# KiCad board poly_kb_molecule_8x5.kicad_pcb (continued)
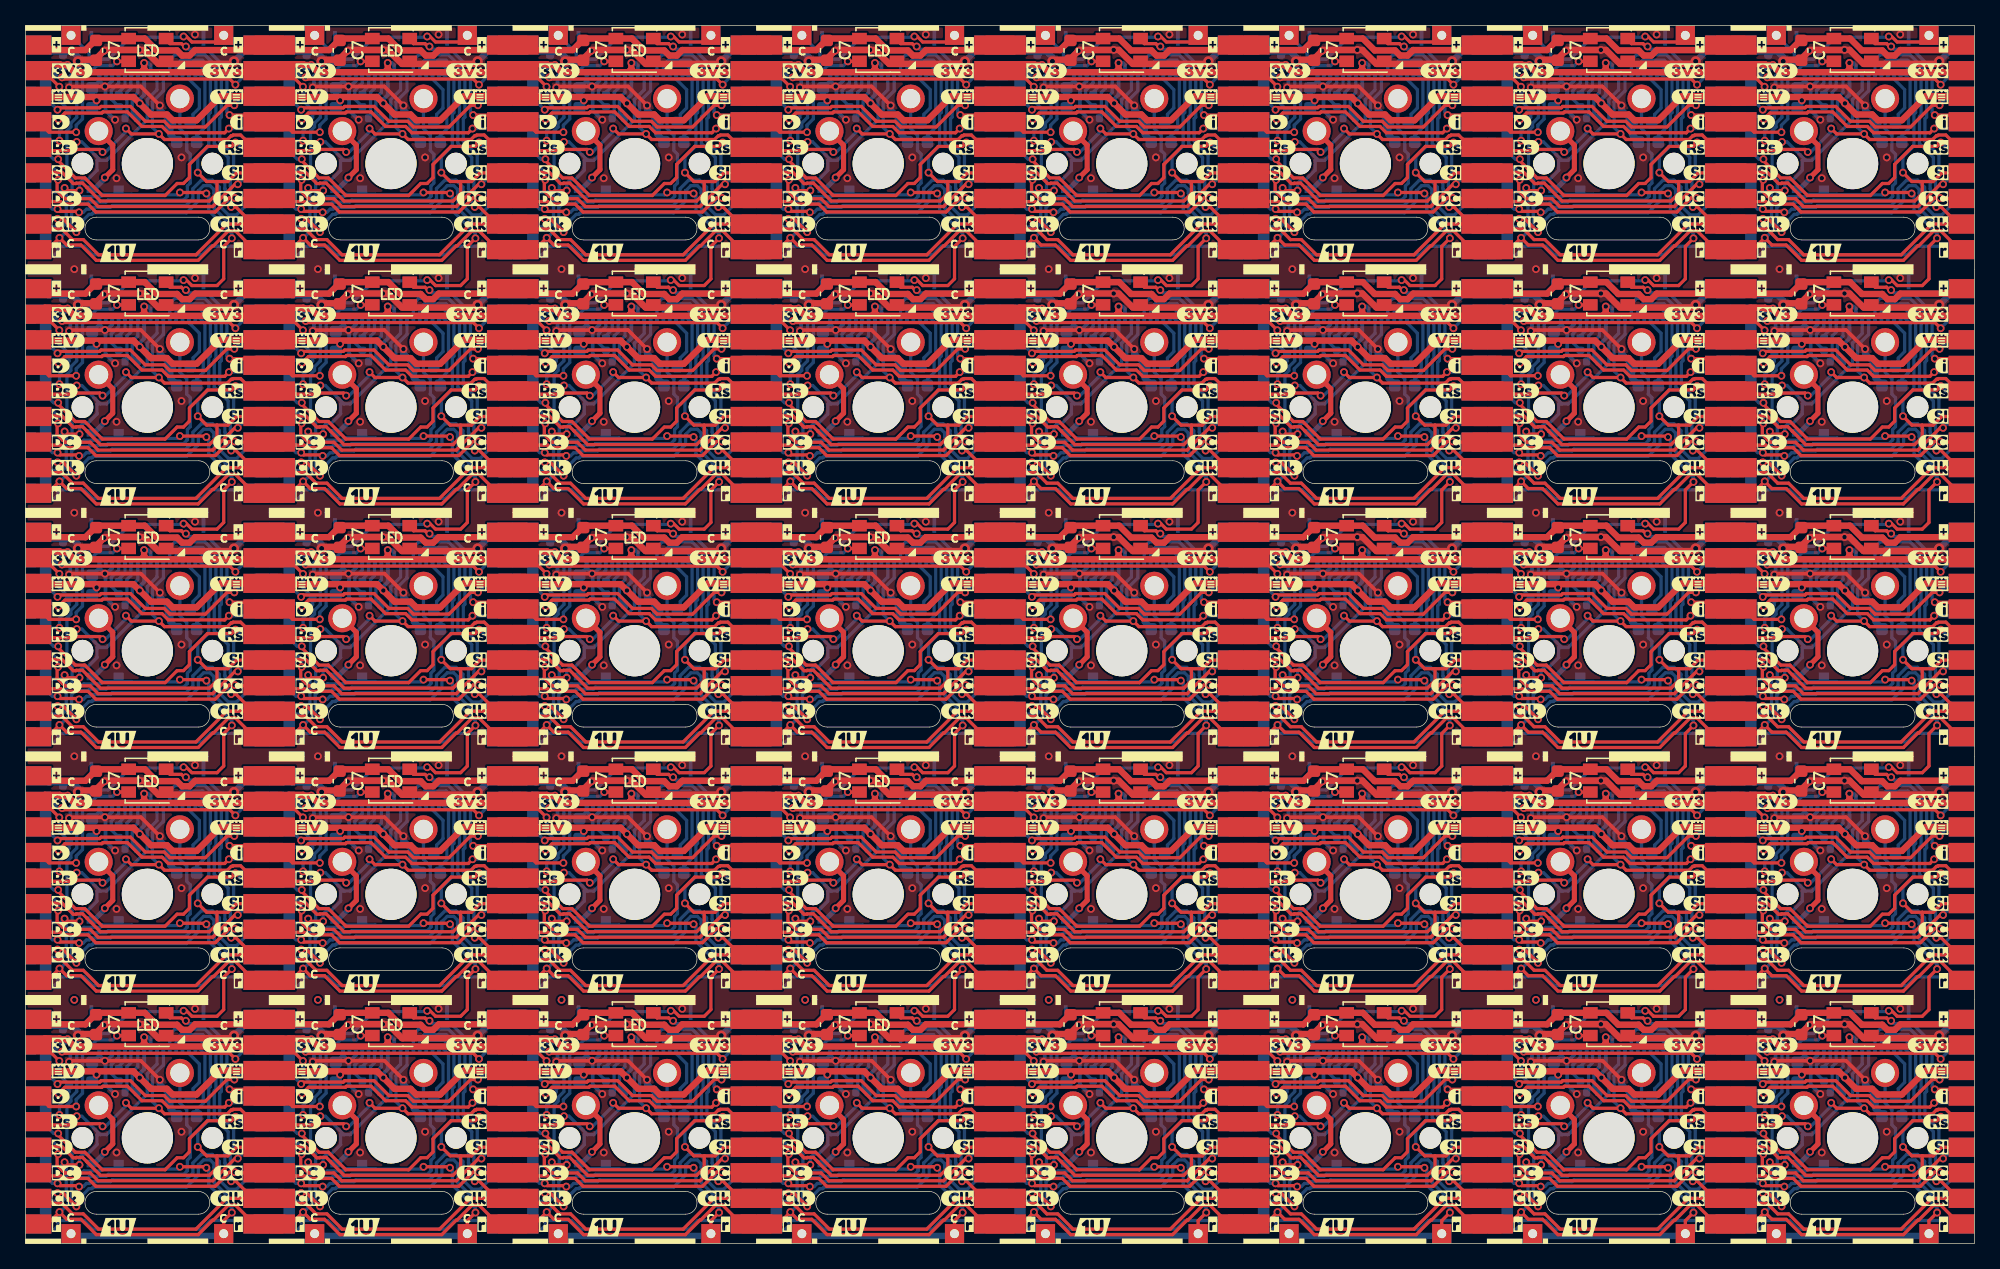
[diagram p0: board, top side]
## Placement (name value [footprint] x y rotation side) (continued)
kibuzzard-61EFDAA0#26  G***  [kibuzzard-61EFDAA0]  40.87 11.51 0 top
kibuzzard-61EFDAA0#27  G***  [kibuzzard-61EFDAA0]  59.92 30.56 0 top
kibuzzard-61EFDAA0#28  G***  [kibuzzard-61EFDAA0]  78.97 68.66 0 top
kibuzzard-61EFDAA0#29  G***  [kibuzzard-61EFDAA0]  136.12 49.61 0 top
kibuzzard-61EFDAA0#30  G***  [kibuzzard-61EFDAA0]  59.92 68.66 0 top
kibuzzard-61EFDAA0#31  G***  [kibuzzard-61EFDAA0]  2.77 30.56 0 top
kibuzzard-61EFDAA0#32  G***  [kibuzzard-61EFDAA0]  117.07 49.61 0 top
kibuzzard-61EFDAA0#33  G***  [kibuzzard-61EFDAA0]  59.92 87.71 0 top
kibuzzard-61EFDAA0#34  G***  [kibuzzard-61EFDAA0]  21.82 49.61 0 top
kibuzzard-61EFDAA0#35  G***  [kibuzzard-61EFDAA0]  78.97 30.56 0 top
kibuzzard-61EFDAA0#36  G***  [kibuzzard-61EFDAA0]  2.77 68.66 0 top
kibuzzard-61EFDAA0#37  G***  [kibuzzard-61EFDAA0]  2.77 49.61 0 top
kibuzzard-61EFDAA0#38  G***  [kibuzzard-61EFDAA0]  98.02 68.66 0 top
kibuzzard-61EFDAA0#39  G***  [kibuzzard-61EFDAA0]  21.82 87.71 0 top
kibuzzard-61EFDAA0#40  G***  [kibuzzard-61EFDAA0]  117.07 87.71 0 top
kibuzzard-61EFDAC6  G***  [kibuzzard-61EFDAC6]  35.64 49.61 0 top
kibuzzard-61EFDAC6#2  G***  [kibuzzard-61EFDAC6]  111.84 11.51 0 top
kibuzzard-61EFDAC6#3  G***  [kibuzzard-61EFDAC6]  73.74 11.51 0 top
kibuzzard-61EFDAC6#4  G***  [kibuzzard-61EFDAC6]  149.94 30.56 0 top
kibuzzard-61EFDAC6#5  G***  [kibuzzard-61EFDAC6]  111.84 68.66 0 top
kibuzzard-61EFDAC6#6  G***  [kibuzzard-61EFDAC6]  16.59 87.71 0 top
kibuzzard-61EFDAC6#7  G***  [kibuzzard-61EFDAC6]  149.94 87.71 0 top
kibuzzard-61EFDAC6#8  G***  [kibuzzard-61EFDAC6]  92.79 87.71 0 top
kibuzzard-61EFDAC6#9  G***  [kibuzzard-61EFDAC6]  149.94 11.51 0 top
kibuzzard-61EFDAC6#10  G***  [kibuzzard-61EFDAC6]  73.74 68.66 0 top
kibuzzard-61EFDAC6#11  G***  [kibuzzard-61EFDAC6]  130.89 87.71 0 top
kibuzzard-61EFDAC6#12  G***  [kibuzzard-61EFDAC6]  16.59 49.61 0 top
kibuzzard-61EFDAC6#13  G***  [kibuzzard-61EFDAC6]  35.64 87.71 0 top
kibuzzard-61EFDAC6#14  G***  [kibuzzard-61EFDAC6]  92.79 30.56 0 top
kibuzzard-61EFDAC6#15  G***  [kibuzzard-61EFDAC6]  92.79 68.66 0 top
kibuzzard-61EFDAC6#16  G***  [kibuzzard-61EFDAC6]  130.89 49.61 0 top
kibuzzard-61EFDAC6#17  G***  [kibuzzard-61EFDAC6]  54.69 11.51 0 top
kibuzzard-61EFDAC6#18  G***  [kibuzzard-61EFDAC6]  54.69 49.61 0 top
kibuzzard-61EFDAC6#19  G***  [kibuzzard-61EFDAC6]  16.59 68.66 0 top
kibuzzard-61EFDAC6#20  G***  [kibuzzard-61EFDAC6]  16.59 30.56 0 top
kibuzzard-61EFDAC6#21  G***  [kibuzzard-61EFDAC6]  149.94 68.66 0 top
kibuzzard-61EFDAC6#22  G***  [kibuzzard-61EFDAC6]  92.79 11.51 0 top
kibuzzard-61EFDAC6#23  G***  [kibuzzard-61EFDAC6]  54.69 68.66 0 top
kibuzzard-61EFDAC6#24  G***  [kibuzzard-61EFDAC6]  111.84 49.61 0 top
kibuzzard-61EFDAC6#25  G***  [kibuzzard-61EFDAC6]  111.84 87.71 0 top
kibuzzard-61EFDAC6#26  G***  [kibuzzard-61EFDAC6]  130.89 68.66 0 top
kibuzzard-61EFDAC6#27  G***  [kibuzzard-61EFDAC6]  130.89 11.51 0 top
kibuzzard-61EFDAC6#28  G***  [kibuzzard-61EFDAC6]  73.74 87.71 0 top
kibuzzard-61EFDAC6#29  G***  [kibuzzard-61EFDAC6]  130.89 30.56 0 top
kibuzzard-61EFDAC6#30  G***  [kibuzzard-61EFDAC6]  35.64 30.56 0 top
kibuzzard-61EFDAC6#31  G***  [kibuzzard-61EFDAC6]  35.64 11.51 0 top
kibuzzard-61EFDAC6#32  G***  [kibuzzard-61EFDAC6]  73.74 49.61 0 top
kibuzzard-61EFDAC6#33  G***  [kibuzzard-61EFDAC6]  111.84 30.56 0 top
kibuzzard-61EFDAC6#34  G***  [kibuzzard-61EFDAC6]  35.64 68.66 0 top
kibuzzard-61EFDAC6#35  G***  [kibuzzard-61EFDAC6]  149.94 49.61 0 top
kibuzzard-61EFDAC6#36  G***  [kibuzzard-61EFDAC6]  73.74 30.56 0 top
kibuzzard-61EFDAC6#37  G***  [kibuzzard-61EFDAC6]  54.69 30.56 0 top
kibuzzard-61EFDAC6#38  G***  [kibuzzard-61EFDAC6]  92.79 49.61 0 top
kibuzzard-61EFDAC6#39  G***  [kibuzzard-61EFDAC6]  54.69 87.71 0 top
kibuzzard-61EFDAC6#40  G***  [kibuzzard-61EFDAC6]  16.59 11.51 0 top
kibuzzard-61EFDAEE  G***  [kibuzzard-61EFDAEE]  79.25 85.73 0 top
kibuzzard-61EFDAEE#2  G***  [kibuzzard-61EFDAEE]  3.05 9.53 0 top
kibuzzard-61EFDAEE#3  G***  [kibuzzard-61EFDAEE]  60.2 9.53 0 top
kibuzzard-61EFDAEE#4  G***  [kibuzzard-61EFDAEE]  117.35 66.68 0 top
kibuzzard-61EFDAEE#5  G***  [kibuzzard-61EFDAEE]  22.1 66.68 0 top
kibuzzard-61EFDAEE#6  G***  [kibuzzard-61EFDAEE]  41.15 85.73 0 top
kibuzzard-61EFDAEE#7  G***  [kibuzzard-61EFDAEE]  79.25 28.58 0 top
kibuzzard-61EFDAEE#8  G***  [kibuzzard-61EFDAEE]  117.35 28.58 0 top
kibuzzard-61EFDAEE#9  G***  [kibuzzard-61EFDAEE]  117.35 9.53 0 top
kibuzzard-61EFDAEE#10  G***  [kibuzzard-61EFDAEE]  41.15 66.68 0 top
kibuzzard-61EFDAEE#11  G***  [kibuzzard-61EFDAEE]  22.1 28.58 0 top
kibuzzard-61EFDAEE#12  G***  [kibuzzard-61EFDAEE]  22.1 85.73 0 top
kibuzzard-61EFDAEE#13  G***  [kibuzzard-61EFDAEE]  79.25 47.63 0 top
kibuzzard-61EFDAEE#14  G***  [kibuzzard-61EFDAEE]  3.05 66.68 0 top
kibuzzard-61EFDAEE#15  G***  [kibuzzard-61EFDAEE]  117.35 47.63 0 top
kibuzzard-61EFDAEE#16  G***  [kibuzzard-61EFDAEE]  60.2 85.73 0 top
kibuzzard-61EFDAEE#17  G***  [kibuzzard-61EFDAEE]  98.3 9.53 0 top
kibuzzard-61EFDAEE#18  G***  [kibuzzard-61EFDAEE]  117.35 85.73 0 top
kibuzzard-61EFDAEE#19  G***  [kibuzzard-61EFDAEE]  22.1 9.53 0 top
kibuzzard-61EFDAEE#20  G***  [kibuzzard-61EFDAEE]  3.05 28.58 0 top
kibuzzard-61EFDAEE#21  G***  [kibuzzard-61EFDAEE]  60.2 66.68 0 top
kibuzzard-61EFDAEE#22  G***  [kibuzzard-61EFDAEE]  98.3 28.58 0 top
kibuzzard-61EFDAEE#23  G***  [kibuzzard-61EFDAEE]  3.05 47.63 0 top
kibuzzard-61EFDAEE#24  G***  [kibuzzard-61EFDAEE]  98.3 66.68 0 top
kibuzzard-61EFDAEE#25  G***  [kibuzzard-61EFDAEE]  60.2 28.58 0 top
kibuzzard-61EFDAEE#26  G***  [kibuzzard-61EFDAEE]  136.4 66.68 0 top
kibuzzard-61EFDAEE#27  G***  [kibuzzard-61EFDAEE]  3.05 85.73 0 top
kibuzzard-61EFDAEE#28  G***  [kibuzzard-61EFDAEE]  41.15 47.63 0 top
kibuzzard-61EFDAEE#29  G***  [kibuzzard-61EFDAEE]  136.4 47.63 0 top
kibuzzard-61EFDAEE#30  G***  [kibuzzard-61EFDAEE]  98.3 85.73 0 top
kibuzzard-61EFDAEE#31  G***  [kibuzzard-61EFDAEE]  98.3 47.63 0 top
kibuzzard-61EFDAEE#32  G***  [kibuzzard-61EFDAEE]  41.15 28.58 0 top
kibuzzard-61EFDAEE#33  G***  [kibuzzard-61EFDAEE]  136.4 85.73 0 top
kibuzzard-61EFDAEE#34  G***  [kibuzzard-61EFDAEE]  41.15 9.53 0 top
kibuzzard-61EFDAEE#35  G***  [kibuzzard-61EFDAEE]  22.1 47.63 0 top
kibuzzard-61EFDAEE#36  G***  [kibuzzard-61EFDAEE]  60.2 47.63 0 top
kibuzzard-61EFDAEE#37  G***  [kibuzzard-61EFDAEE]  79.25 66.68 0 top
kibuzzard-61EFDAEE#38  G***  [kibuzzard-61EFDAEE]  136.4 28.58 0 top
kibuzzard-61EFDAEE#39  G***  [kibuzzard-61EFDAEE]  79.25 9.53 0 top
kibuzzard-61EFDAEE#40  G***  [kibuzzard-61EFDAEE]  136.4 9.53 0 top
kibuzzard-61EFDD1E  G***  [kibuzzard-61EFDD1E]  102.49 39.37 0 top
kibuzzard-61EFDD1E#2  G***  [kibuzzard-61EFDD1E]  121.54 39.37 0 top
kibuzzard-61EFDD1E#3  G***  [kibuzzard-61EFDD1E]  64.39 1.27 0 top
kibuzzard-61EFDD1E#4  G***  [kibuzzard-61EFDD1E]  64.39 58.42 0 top
kibuzzard-61EFDD1E#5  G***  [kibuzzard-61EFDD1E]  7.24 39.37 0 top
kibuzzard-61EFDD1E#6  G***  [kibuzzard-61EFDD1E]  102.49 1.27 0 top
kibuzzard-61EFDD1E#7  G***  [kibuzzard-61EFDD1E]  140.59 58.42 0 top
kibuzzard-61EFDD1E#8  G***  [kibuzzard-61EFDD1E]  7.24 77.47 0 top
kibuzzard-61EFDD1E#9  G***  [kibuzzard-61EFDD1E]  26.29 20.32 0 top
kibuzzard-61EFDD1E#10  G***  [kibuzzard-61EFDD1E]  26.29 58.42 0 top
kibuzzard-61EFDD1E#11  G***  [kibuzzard-61EFDD1E]  83.44 20.32 0 top
kibuzzard-61EFDD1E#12  G***  [kibuzzard-61EFDD1E]  83.44 39.37 0 top
kibuzzard-61EFDD1E#13  G***  [kibuzzard-61EFDD1E]  45.34 77.47 0 top
kibuzzard-61EFDD1E#14  G***  [kibuzzard-61EFDD1E]  7.24 20.32 0 top
kibuzzard-61EFDD1E#15  G***  [kibuzzard-61EFDD1E]  140.59 1.27 0 top
kibuzzard-61EFDD1E#16  G***  [kibuzzard-61EFDD1E]  83.44 1.27 0 top
kibuzzard-61EFDD1E#17  G***  [kibuzzard-61EFDD1E]  121.54 58.42 0 top
kibuzzard-61EFDD1E#18  G***  [kibuzzard-61EFDD1E]  102.49 20.32 0 top
kibuzzard-61EFDD1E#19  G***  [kibuzzard-61EFDD1E]  64.39 77.47 0 top
kibuzzard-61EFDD1E#20  G***  [kibuzzard-61EFDD1E]  83.44 77.47 0 top
kibuzzard-61EFDD1E#21  G***  [kibuzzard-61EFDD1E]  26.29 1.27 0 top
kibuzzard-61EFDD1E#22  G***  [kibuzzard-61EFDD1E]  45.34 20.32 0 top
kibuzzard-61EFDD1E#23  G***  [kibuzzard-61EFDD1E]  64.39 39.37 0 top
kibuzzard-61EFDD1E#24  G***  [kibuzzard-61EFDD1E]  7.24 58.42 0 top
kibuzzard-61EFDD1E#25  G***  [kibuzzard-61EFDD1E]  102.49 77.47 0 top
kibuzzard-61EFDD1E#26  G***  [kibuzzard-61EFDD1E]  64.39 20.32 0 top
kibuzzard-61EFDD1E#27  G***  [kibuzzard-61EFDD1E]  45.34 58.42 0 top
kibuzzard-61EFDD1E#28  G***  [kibuzzard-61EFDD1E]  102.49 58.42 0 top
kibuzzard-61EFDD1E#29  G***  [kibuzzard-61EFDD1E]  83.44 58.42 0 top
kibuzzard-61EFDD1E#30  G***  [kibuzzard-61EFDD1E]  121.54 1.27 0 top
kibuzzard-61EFDD1E#31  G***  [kibuzzard-61EFDD1E]  121.54 20.32 0 top
kibuzzard-61EFDD1E#32  G***  [kibuzzard-61EFDD1E]  121.54 77.47 0 top
kibuzzard-61EFDD1E#33  G***  [kibuzzard-61EFDD1E]  45.34 1.27 0 top
kibuzzard-61EFDD1E#34  G***  [kibuzzard-61EFDD1E]  7.24 1.27 0 top
kibuzzard-61EFDD1E#35  G***  [kibuzzard-61EFDD1E]  140.59 77.47 0 top
kibuzzard-61EFDD1E#36  G***  [kibuzzard-61EFDD1E]  140.59 20.32 0 top
kibuzzard-61EFDD1E#37  G***  [kibuzzard-61EFDD1E]  26.29 77.47 0 top
kibuzzard-61EFDD1E#38  G***  [kibuzzard-61EFDD1E]  26.29 39.37 0 top
kibuzzard-61EFDD1E#39  G***  [kibuzzard-61EFDD1E]  45.34 39.37 0 top
kibuzzard-61EFDD1E#40  G***  [kibuzzard-61EFDD1E]  140.59 39.37 0 top
LED1  -  [WS2812B-Mini]  9.52 93.34 0 top
LED1#2  -  [WS2812B-Mini]  123.82 55.24 0 top
LED1#3  -  [WS2812B-Mini]  85.72 17.15 0 top
LED1#4  -  [WS2812B-Mini]  66.67 36.19 0 top
LED1#5  -  [WS2812B-Mini]  123.82 74.3 0 top
LED1#6  -  [WS2812B-Mini]  142.88 93.34 0 top
LED1#7  -  [WS2812B-Mini]  104.78 17.15 0 top
LED1#8  -  [WS2812B-Mini]  66.67 55.24 0 top
LED1#9  -  [WS2812B-Mini]  85.72 55.24 0 top
LED1#10  -  [WS2812B-Mini]  28.58 55.24 0 top
LED1#11  -  [WS2812B-Mini]  104.78 93.34 0 top
LED1#12  -  [WS2812B-Mini]  142.88 17.15 0 top
LED1#13  -  [WS2812B-Mini]  9.52 55.24 0 top
LED1#14  -  [WS2812B-Mini]  104.78 36.19 0 top
LED1#15  -  [WS2812B-Mini]  47.62 36.19 0 top
LED1#16  -  [WS2812B-Mini]  123.82 17.15 0 top
LED1#17  -  [WS2812B-Mini]  142.88 55.24 0 top
LED1#18  -  [WS2812B-Mini]  9.52 36.19 0 top
LED1#19  -  [WS2812B-Mini]  47.62 17.15 0 top
LED1#20  -  [WS2812B-Mini]  9.52 17.15 0 top
LED1#21  -  [WS2812B-Mini]  85.72 36.19 0 top
LED1#22  -  [WS2812B-Mini]  142.88 36.19 0 top
LED1#23  -  [WS2812B-Mini]  142.88 74.3 0 top
LED1#24  -  [WS2812B-Mini]  66.67 93.34 0 top
LED1#25  -  [WS2812B-Mini]  28.58 36.19 0 top
LED1#26  -  [WS2812B-Mini]  47.62 93.34 0 top
LED1#27  -  [WS2812B-Mini]  104.78 74.3 0 top
LED1#28  -  [WS2812B-Mini]  123.82 36.19 0 top
LED1#29  -  [WS2812B-Mini]  85.72 74.3 0 top
LED1#30  -  [WS2812B-Mini]  66.67 17.15 0 top
LED1#31  -  [WS2812B-Mini]  123.82 93.34 0 top
LED1#32  -  [WS2812B-Mini]  104.78 55.24 0 top
LED1#33  -  [WS2812B-Mini]  47.62 74.3 0 top
LED1#34  -  [WS2812B-Mini]  66.67 74.3 0 top
LED1#35  -  [WS2812B-Mini]  9.52 74.3 0 top
LED1#36  -  [WS2812B-Mini]  85.72 93.34 0 top
LED1#37  -  [WS2812B-Mini]  28.58 17.15 0 top
LED1#38  -  [WS2812B-Mini]  47.62 55.24 0 top
LED1#39  -  [WS2812B-Mini]  28.58 74.3 0 top
LED1#40  -  [WS2812B-Mini]  28.58 93.34 0 top
R1  1M  [R_0402_1005Metric]  3.4 12.81 270 bottom
R1#2  1M  [R_0402_1005Metric]  79.6 69.96 270 bottom
R1#3  1M  [R_0402_1005Metric]  98.65 69.96 270 bottom
R1#4  1M  [R_0402_1005Metric]  117.7 12.81 270 bottom
R1#5  1M  [R_0402_1005Metric]  136.75 69.96 270 bottom
R1#6  1M  [R_0402_1005Metric]  79.6 50.91 270 bottom
R1#7  1M  [R_0402_1005Metric]  98.65 31.86 270 bottom
R1#8  1M  [R_0402_1005Metric]  3.4 31.86 270 bottom
R1#9  1M  [R_0402_1005Metric]  41.5 50.91 270 bottom
R1#10  1M  [R_0402_1005Metric]  22.45 12.81 270 bottom
R1#11  1M  [R_0402_1005Metric]  22.45 69.96 270 bottom
R1#12  1M  [R_0402_1005Metric]  22.45 50.91 270 bottom
R1#13  1M  [R_0402_1005Metric]  3.4 50.91 270 bottom
R1#14  1M  [R_0402_1005Metric]  98.65 12.81 270 bottom
R1#15  1M  [R_0402_1005Metric]  79.6 31.86 270 bottom
R1#16  1M  [R_0402_1005Metric]  41.5 89.01 270 bottom
R1#17  1M  [R_0402_1005Metric]  98.65 50.91 270 bottom
R1#18  1M  [R_0402_1005Metric]  60.55 50.91 270 bottom
R1#19  1M  [R_0402_1005Metric]  60.55 69.96 270 bottom
R1#20  1M  [R_0402_1005Metric]  22.45 89.01 270 bottom
R1#21  1M  [R_0402_1005Metric]  60.55 89.01 270 bottom
R1#22  1M  [R_0402_1005Metric]  3.4 69.96 270 bottom
R1#23  1M  [R_0402_1005Metric]  136.75 50.91 270 bottom
R1#24  1M  [R_0402_1005Metric]  117.7 69.96 270 bottom
R1#25  1M  [R_0402_1005Metric]  136.75 12.81 270 bottom
R1#26  1M  [R_0402_1005Metric]  41.5 12.81 270 bottom
R1#27  1M  [R_0402_1005Metric]  41.5 69.96 270 bottom
R1#28  1M  [R_0402_1005Metric]  3.4 89.01 270 bottom
R1#29  1M  [R_0402_1005Metric]  98.65 89.01 270 bottom
R1#30  1M  [R_0402_1005Metric]  79.6 12.81 270 bottom
R1#31  1M  [R_0402_1005Metric]  22.45 31.86 270 bottom
R1#32  1M  [R_0402_1005Metric]  60.55 12.81 270 bottom
R1#33  1M  [R_0402_1005Metric]  136.75 89.01 270 bottom
R1#34  1M  [R_0402_1005Metric]  117.7 89.01 270 bottom
R1#35  1M  [R_0402_1005Metric]  117.7 50.91 270 bottom
R1#36  1M  [R_0402_1005Metric]  117.7 31.86 270 bottom
R1#37  1M  [R_0402_1005Metric]  60.55 31.86 270 bottom
R1#38  1M  [R_0402_1005Metric]  41.5 31.86 270 bottom
R1#39  1M  [R_0402_1005Metric]  136.75 31.86 270 bottom
R1#40  1M  [R_0402_1005Metric]  79.6 89.01 270 bottom
SW1  SW_Push  [SW_Cherry_MX_1.00u_PCB_NoSilk]  12.06 89.53 0 top
SW1#2  SW_Push  [SW_Cherry_MX_1.00u_PCB_NoSilk]  88.27 51.44 0 top
SW1#3  SW_Push  [SW_Cherry_MX_1.00u_PCB_NoSilk]  107.31 13.34 0 top
SW1#4  SW_Push  [SW_Cherry_MX_1.00u_PCB_NoSilk]  107.31 32.38 0 top
SW1#5  SW_Push  [SW_Cherry_MX_1.00u_PCB_NoSilk]  126.37 13.34 0 top
SW1#6  SW_Push  [SW_Cherry_MX_1.00u_PCB_NoSilk]  12.06 70.48 0 top
SW1#7  SW_Push  [SW_Cherry_MX_1.00u_PCB_NoSilk]  126.37 32.38 0 top
SW1#8  SW_Push  [SW_Cherry_MX_1.00u_PCB_NoSilk]  50.16 32.38 0 top
SW1#9  SW_Push  [SW_Cherry_MX_1.00u_PCB_NoSilk]  126.37 51.44 0 top
SW1#10  SW_Push  [SW_Cherry_MX_1.00u_PCB_NoSilk]  126.37 89.53 0 top
SW1#11  SW_Push  [SW_Cherry_MX_1.00u_PCB_NoSilk]  31.11 32.38 0 top
SW1#12  SW_Push  [SW_Cherry_MX_1.00u_PCB_NoSilk]  107.31 51.44 0 top
SW1#13  SW_Push  [SW_Cherry_MX_1.00u_PCB_NoSilk]  12.06 13.34 0 top
SW1#14  SW_Push  [SW_Cherry_MX_1.00u_PCB_NoSilk]  107.31 70.48 0 top
SW1#15  SW_Push  [SW_Cherry_MX_1.00u_PCB_NoSilk]  12.06 32.38 0 top
SW1#16  SW_Push  [SW_Cherry_MX_1.00u_PCB_NoSilk]  69.22 51.44 0 top
SW1#17  SW_Push  [SW_Cherry_MX_1.00u_PCB_NoSilk]  88.27 89.53 0 top
SW1#18  SW_Push  [SW_Cherry_MX_1.00u_PCB_NoSilk]  31.11 70.48 0 top
SW1#19  SW_Push  [SW_Cherry_MX_1.00u_PCB_NoSilk]  69.22 89.53 0 top
SW1#20  SW_Push  [SW_Cherry_MX_1.00u_PCB_NoSilk]  69.22 32.38 0 top
SW1#21  SW_Push  [SW_Cherry_MX_1.00u_PCB_NoSilk]  31.11 89.53 0 top
SW1#22  SW_Push  [SW_Cherry_MX_1.00u_PCB_NoSilk]  107.31 89.53 0 top
SW1#23  SW_Push  [SW_Cherry_MX_1.00u_PCB_NoSilk]  126.37 70.48 0 top
SW1#24  SW_Push  [SW_Cherry_MX_1.00u_PCB_NoSilk]  12.06 51.44 0 top
SW1#25  SW_Push  [SW_Cherry_MX_1.00u_PCB_NoSilk]  88.27 70.48 0 top
SW1#26  SW_Push  [SW_Cherry_MX_1.00u_PCB_NoSilk]  88.27 13.34 0 top
SW1#27  SW_Push  [SW_Cherry_MX_1.00u_PCB_NoSilk]  145.41 32.38 0 top
SW1#28  SW_Push  [SW_Cherry_MX_1.00u_PCB_NoSilk]  145.41 51.44 0 top
SW1#29  SW_Push  [SW_Cherry_MX_1.00u_PCB_NoSilk]  69.22 70.48 0 top
SW1#30  SW_Push  [SW_Cherry_MX_1.00u_PCB_NoSilk]  69.22 13.34 0 top
SW1#31  SW_Push  [SW_Cherry_MX_1.00u_PCB_NoSilk]  50.16 51.44 0 top
SW1#32  SW_Push  [SW_Cherry_MX_1.00u_PCB_NoSilk]  145.41 13.34 0 top
SW1#33  SW_Push  [SW_Cherry_MX_1.00u_PCB_NoSilk]  50.16 70.48 0 top
SW1#34  SW_Push  [SW_Cherry_MX_1.00u_PCB_NoSilk]  145.41 89.53 0 top
SW1#35  SW_Push  [SW_Cherry_MX_1.00u_PCB_NoSilk]  145.41 70.48 0 top
SW1#36  SW_Push  [SW_Cherry_MX_1.00u_PCB_NoSilk]  31.11 13.34 0 top
SW1#37  SW_Push  [SW_Cherry_MX_1.00u_PCB_NoSilk]  31.11 51.44 0 top
SW1#38  SW_Push  [SW_Cherry_MX_1.00u_PCB_NoSilk]  88.27 32.38 0 top
SW1#39  SW_Push  [SW_Cherry_MX_1.00u_PCB_NoSilk]  50.16 89.53 0 top
SW1#40  SW_Push  [SW_Cherry_MX_1.00u_PCB_NoSilk]  50.16 13.34 0 top

## Library data of the parts
C1 C1#2-C1#40 C2 C2#2-C2#40 = -: LCSC: C23630
C3 C3#2-C3#40 C5 C5#2-C5#40 C6 C6#2-C6#40 = -: LCSC: C52923
C4 C4#2-C4#40 C7 C7#2-C7#40 = -: LCSC: C19666
D1 D1#2-D1#40 = -: LCSC: C169468
J1 J1#2-J1#40 = -: LCSC: C561388
LED1 LED1#2-LED1#40 = -: LCSC: C527089

## Footprints (pads in the part's own frame, mm; a bottom-side part is the same pattern mirrored in y, then rotated)
AtomConnect2
  rect 1.5x2 smd: 1(-8,0) 2(-6,0) 3(-4,0) 4(-2,0) 5(0,0) 6(2,0) 7(4,0) 8(6,0) 9(8,0)
AtomConnectCS
  rect 1.5x2 smd: 1(-8,0)
  custom 1.5x2 smd: 2(-6,0.5) 3(-4,0.5) 4(-2,0.5) 5(0,0.5) 6(2,0.5) 7(4,0.5) 8(6,0.5) 9(8,0.5)
  custom 2.3x0.9 smd: 10(-5.5,-0.75) 10(-1.5,-0.75) 10(2.5,-0.75) 10(6.5,-0.75)
C_0402_1005Metric
  rrect 0.56x0.62 smd: 1(-0.48,0) 2(0.48,0)
C_0603_1608Metric
  rrect 0.9x0.95 smd: 1(-0.775,0) 2(0.775,0)
D_SOD-323Ext
  rect 0.8x0.6 smd: 1(-1.05,0) 2(1.05,0)
FPC_16_JUSHUO_AFC05_S16FIA_00
  rect 0.3x1.15 smd: 0(-4.385,-2.81) 0(4.385,-2.81)
  rect 0.3x0.65 smd: 1(-3.75,0) 2(-3.25,0) 3(-2.75,0) 4(-2.25,0) 5(-1.75,0) 6(-1.25,0) 7(-0.75,0) 8(-0.25,0) 9(0.25,0) 10(0.75,0) 11(1.25,0) 12(1.75,0) 13(2.25,0) 14(2.75,0) 15(3.25,0) 16(3.75,0)
R_0402_1005Metric
  rrect 0.54x0.64 smd: 1(-0.51,0) 2(0.51,0)
SW_Cherry_MX_1.00u_PCB_NoSilk
  round 1.7 hole 1.7 unplated: (-7.62,-5.08) (2.54,-5.08)
  round 4 hole 4 unplated: (-2.54,-5.08)
  round 2.2 hole 1.5: 1(0,0) 2(-6.35,-2.54)
TestPoin_1.5x1.5mm_Drill0.7mm
  rect 1.5x1.5 hole 0.7: 1(0,0)
WS2812B-Mini
  rect 1.15x0.9 smd: 1(-1.465,0.89) 2(-1.465,-0.89) 3(1.465,-0.89) 4(1.465,0.89)

## Nets
/Keyboard/sheet605ED2EB/3V3: C3.1 C3#2.1 C3#3.1 C3#4.1 C3#5.1 C3#6.1 C3#7.1 C3#8.1 C3#9.1 C3#10.1 C3#11.1 C3#12.1 C3#13.1 C3#14.1 C3#15.1 C3#16.1 C3#17.1 C3#18.1 C3#19.1 C3#20.1 C3#21.1 C3#22.1 C3#23.1 C3#24.1 C3#25.1 C3#26.1 C3#27.1 C3#28.1 C3#29.1 C3#30.1 C3#31.1 C3#32.1 C3#33.1 C3#34.1 C3#35.1 C3#36.1 C3#37.1 C3#38.1 C3#39.1 C3#40.1 J1.9 J1#2.9 J1#3.9 J1#4.9 J1#5.9 J1#6.9 J1#7.9 J1#8.9 J1#9.9 J1#10.9 J1#11.9 J1#12.9 J1#13.9 J1#14.9 J1#15.9 J1#16.9 J1#17.9 J1#18.9 J1#19.9 J1#20.9 J1#21.9 J1#22.9 J1#23.9 J1#24.9 J1#25.9 J1#26.9 J1#27.9 J1#28.9 J1#29.9 J1#30.9 J1#31.9 J1#32.9 J1#33.9 J1#34.9 J1#35.9 J1#36.9 J1#37.9 J1#38.9 J1#39.9 J1#40.9 J3.2 J3#2.2 J3#3.2 J3#4.2 J3#5.2 J3#6.2 J3#7.2 J3#8.2 J3#9.2 J3#10.2 J3#11.2 J3#12.2 J3#13.2 J3#14.2 J3#15.2 J3#16.2 J3#17.2 J3#18.2 J3#19.2 J3#20.2 J3#21.2 J3#22.2 J3#23.2 J3#24.2 J3#25.2 J3#26.2 J3#27.2 J3#28.2 J3#29.2 J3#30.2 J3#31.2 J3#32.2 J3#33.2 J3#34.2 J3#35.2 J3#36.2 J3#37.2 J3#38.2 J3#39.2 J3#40.2 J4.2 J4#2.2 J4#3.2 J4#4.2 J4#5.2 J4#6.2 J4#7.2 J4#8.2 J4#9.2 J4#10.2 J4#11.2 J4#12.2 J4#13.2 J4#14.2 J4#15.2 J4#16.2 J4#17.2 J4#18.2 J4#19.2 J4#20.2 J4#21.2 J4#22.2 J4#23.2 J4#24.2 J4#25.2 J4#26.2 J4#27.2 J4#28.2 J4#29.2 J4#30.2 J4#31.2 J4#32.2 J4#33.2 J4#34.2 J4#35.2 J4#36.2 J4#37.2 J4#38.2 J4#39.2 J4#40.2 R1.1 R1#2.1 R1#3.1 R1#4.1 R1#5.1 R1#6.1 R1#7.1 R1#8.1 R1#9.1 R1#10.1 R1#11.1 R1#12.1 R1#13.1 R1#14.1 R1#15.1 R1#16.1 R1#17.1 R1#18.1 R1#19.1 R1#20.1 R1#21.1 R1#22.1 R1#23.1 R1#24.1 R1#25.1 R1#26.1 R1#27.1 R1#28.1 R1#29.1 R1#30.1 R1#31.1 R1#32.1 R1#33.1 R1#34.1 R1#35.1 R1#36.1 R1#37.1 R1#38.1 R1#39.1 R1#40.1
/Keyboard/sheet605ED2EB/4V2: C2.1 C2#2.1 C2#3.1 C2#4.1 C2#5.1 C2#6.1 C2#7.1 C2#8.1 C2#9.1 C2#10.1 C2#11.1 C2#12.1 C2#13.1 C2#14.1 C2#15.1 C2#16.1 C2#17.1 C2#18.1 C2#19.1 C2#20.1 C2#21.1 C2#22.1 C2#23.1 C2#24.1 C2#25.1 C2#26.1 C2#27.1 C2#28.1 C2#29.1 C2#30.1 C2#31.1 C2#32.1 C2#33.1 C2#34.1 C2#35.1 C2#36.1 C2#37.1 C2#38.1 C2#39.1 C2#40.1 J1.8 J1#2.8 J1#3.8 J1#4.8 J1#5.8 J1#6.8 J1#7.8 J1#8.8 J1#9.8 J1#10.8 J1#11.8 J1#12.8 J1#13.8 J1#14.8 J1#15.8 J1#16.8 J1#17.8 J1#18.8 J1#19.8 J1#20.8 J1#21.8 J1#22.8 J1#23.8 J1#24.8 J1#25.8 J1#26.8 J1#27.8 J1#28.8 J1#29.8 J1#30.8 J1#31.8 J1#32.8 J1#33.8 J1#34.8 J1#35.8 J1#36.8 J1#37.8 J1#38.8 J1#39.8 J1#40.8 J3.3 J3#2.3 J3#3.3 J3#4.3 J3#5.3 J3#6.3 J3#7.3 J3#8.3 J3#9.3 J3#10.3 J3#11.3 J3#12.3 J3#13.3 J3#14.3 J3#15.3 J3#16.3 J3#17.3 J3#18.3 J3#19.3 J3#20.3 J3#21.3 J3#22.3 J3#23.3 J3#24.3 J3#25.3 J3#26.3 J3#27.3 J3#28.3 J3#29.3 J3#30.3 J3#31.3 J3#32.3 J3#33.3 J3#34.3 J3#35.3 J3#36.3 J3#37.3 J3#38.3 J3#39.3 J3#40.3 J4.3 J4#2.3 J4#3.3 J4#4.3 J4#5.3 J4#6.3 J4#7.3 J4#8.3 J4#9.3 J4#10.3 J4#11.3 J4#12.3 J4#13.3 J4#14.3 J4#15.3 J4#16.3 J4#17.3 J4#18.3 J4#19.3 J4#20.3 J4#21.3 J4#22.3 J4#23.3 J4#24.3 J4#25.3 J4#26.3 J4#27.3 J4#28.3 J4#29.3 J4#30.3 J4#31.3 J4#32.3 J4#33.3 J4#34.3 J4#35.3 J4#36.3 J4#37.3 J4#38.3 J4#39.3 J4#40.3
/Keyboard/sheet605ED2EB/5V: C7.1 C7#2.1 C7#3.1 C7#4.1 C7#5.1 C7#6.1 C7#7.1 C7#8.1 C7#9.1 C7#10.1 C7#11.1 C7#12.1 C7#13.1 C7#14.1 C7#15.1 C7#16.1 C7#17.1 C7#18.1 C7#19.1 C7#20.1 C7#21.1 C7#22.1 C7#23.1 C7#24.1 C7#25.1 C7#26.1 C7#27.1 C7#28.1 C7#29.1 C7#30.1 C7#31.1 C7#32.1 C7#33.1 C7#34.1 C7#35.1 C7#36.1 C7#37.1 C7#38.1 C7#39.1 C7#40.1 J3.1 J3#2.1 J3#3.1 J3#4.1 J3#5.1 J3#6.1 J3#7.1 J3#8.1 J3#9.1 J3#10.1 J3#11.1 J3#12.1 J3#13.1 J3#14.1 J3#15.1 J3#16.1 J3#17.1 J3#18.1 J3#19.1 J3#20.1 J3#21.1 J3#22.1 J3#23.1 J3#24.1 J3#25.1 J3#26.1 J3#27.1 J3#28.1 J3#29.1 J3#30.1 J3#31.1 J3#32.1 J3#33.1 J3#34.1 J3#35.1 J3#36.1 J3#37.1 J3#38.1 J3#39.1 J3#40.1 J4.1 J4#2.1 J4#3.1 J4#4.1 J4#5.1 J4#6.1 J4#7.1 J4#8.1 J4#9.1 J4#10.1 J4#11.1 J4#12.1 J4#13.1 J4#14.1 J4#15.1 J4#16.1 J4#17.1 J4#18.1 J4#19.1 J4#20.1 J4#21.1 J4#22.1 J4#23.1 J4#24.1 J4#25.1 J4#26.1 J4#27.1 J4#28.1 J4#29.1 J4#30.1 J4#31.1 J4#32.1 J4#33.1 J4#34.1 J4#35.1 J4#36.1 J4#37.1 J4#38.1 J4#39.1 J4#40.1 LED1.1 LED1#2.1 LED1#3.1 LED1#4.1 LED1#5.1 LED1#6.1 LED1#7.1 LED1#8.1 LED1#9.1 LED1#10.1 LED1#11.1 LED1#12.1 LED1#13.1 LED1#14.1 LED1#15.1 LED1#16.1 LED1#17.1 LED1#18.1 LED1#19.1 LED1#20.1 LED1#21.1 LED1#22.1 LED1#23.1 LED1#24.1 LED1#25.1 LED1#26.1 LED1#27.1 LED1#28.1 LED1#29.1 LED1#30.1 LED1#31.1 LED1#32.1 LED1#33.1 LED1#34.1 LED1#35.1 LED1#36.1 LED1#37.1 LED1#38.1 LED1#39.1 LED1#40.1
/Keyboard/sheet605ED2EB/GND: C1.2 C1#2.2 C1#3.2 C1#4.2 C1#5.2 C1#6.2 C1#7.2 C1#8.2 C1#9.2 C1#10.2 C1#11.2 C1#12.2 C1#13.2 C1#14.2 C1#15.2 C1#16.2 C1#17.2 C1#18.2 C1#19.2 C1#20.2 C1#21.2 C1#22.2 C1#23.2 C1#24.2 C1#25.2 C1#26.2 C1#27.2 C1#28.2 C1#29.2 C1#30.2 C1#31.2 C1#32.2 C1#33.2 C1#34.2 C1#35.2 C1#36.2 C1#37.2 C1#38.2 C1#39.2 C1#40.2 C2.2 C2#2.2 C2#3.2 C2#4.2 C2#5.2 C2#6.2 C2#7.2 C2#8.2 C2#9.2 C2#10.2 C2#11.2 C2#12.2 C2#13.2 C2#14.2 C2#15.2 C2#16.2 C2#17.2 C2#18.2 C2#19.2 C2#20.2 C2#21.2 C2#22.2 C2#23.2 C2#24.2 C2#25.2 C2#26.2 C2#27.2 C2#28.2 C2#29.2 C2#30.2 C2#31.2 C2#32.2 C2#33.2 C2#34.2 C2#35.2 C2#36.2 C2#37.2 C2#38.2 C2#39.2 C2#40.2 C3.2 C3#2.2 C3#3.2 C3#4.2 C3#5.2 C3#6.2 C3#7.2 C3#8.2 C3#9.2 C3#10.2 C3#11.2 C3#12.2 C3#13.2 C3#14.2 C3#15.2 C3#16.2 C3#17.2 C3#18.2 C3#19.2 C3#20.2 C3#21.2 C3#22.2 C3#23.2 C3#24.2 C3#25.2 C3#26.2 C3#27.2 C3#28.2 C3#29.2 C3#30.2 C3#31.2 C3#32.2 C3#33.2 C3#34.2 C3#35.2 C3#36.2 C3#37.2 C3#38.2 C3#39.2 C3#40.2 C4.2 C4#2.2 C4#3.2 C4#4.2 C4#5.2 C4#6.2 C4#7.2 C4#8.2 C4#9.2 C4#10.2 C4#11.2 C4#12.2 C4#13.2 C4#14.2 C4#15.2 C4#16.2 C4#17.2 C4#18.2 C4#19.2 C4#20.2 C4#21.2 C4#22.2 C4#23.2 C4#24.2 C4#25.2 C4#26.2 C4#27.2 C4#28.2 C4#29.2 C4#30.2 C4#31.2 C4#32.2 C4#33.2 C4#34.2 C4#35.2 C4#36.2 C4#37.2 C4#38.2 C4#39.2 C4#40.2 C7.2 C7#2.2 C7#3.2 C7#4.2 C7#5.2 C7#6.2 C7#7.2 C7#8.2 C7#9.2 C7#10.2 C7#11.2 C7#12.2 C7#13.2 C7#14.2 C7#15.2 C7#16.2 C7#17.2 C7#18.2 C7#19.2 C7#20.2 C7#21.2 C7#22.2 C7#23.2 C7#24.2 C7#25.2 C7#26.2 C7#27.2 C7#28.2 C7#29.2 C7#30.2 C7#31.2 C7#32.2 C7#33.2 C7#34.2 C7#35.2 C7#36.2 C7#37.2 C7#38.2 C7#39.2 C7#40.2 J1.1 J1.3 J1#2.1 J1#2.3 J1#3.1 J1#3.3 J1#4.1 J1#4.3 J1#5.1 J1#5.3 J1#6.1 J1#6.3 J1#7.1 J1#7.3 J1#8.1 J1#8.3 J1#9.1 J1#9.3 J1#10.1 J1#10.3 J1#11.1 J1#11.3 J1#12.1 J1#12.3 J1#13.1 J1#13.3 J1#14.1 J1#14.3 J1#15.1 J1#15.3 J1#16.1 J1#16.3 J1#17.1 J1#17.3 J1#18.1 J1#18.3 J1#19.1 J1#19.3 J1#20.1 J1#20.3 J1#21.1 J1#21.3 J1#22.1 J1#22.3 J1#23.1 J1#23.3 J1#24.1 J1#24.3 J1#25.1 J1#25.3 J1#26.1 J1#26.3 J1#27.1 J1#27.3 J1#28.1 J1#28.3 J1#29.1 J1#29.3 J1#30.1 J1#30.3 J1#31.1 J1#31.3 J1#32.1 J1#32.3 J1#33.1 J1#33.3 J1#34.1 J1#34.3 J1#35.1 J1#35.3 J1#36.1 J1#36.3 J1#37.1 J1#37.3 J1#38.1 J1#38.3 J1#39.1 J1#39.3 J1#40.1 J1#40.3 J5.1 J5#2.1 J5#3.1 J5#4.1 J5#5.1 J5#6.1 J5#7.1 J5#8.1 J5#9.1 J5#10.1 J5#11.1 J5#12.1 J5#13.1 J5#14.1 J5#15.1 J5#16.1 J5#17.1 J5#18.1 J5#19.1 J5#20.1 J5#21.1 J5#22.1 J5#23.1 J5#24.1 J5#25.1 J5#26.1 J5#27.1 J5#28.1 J5#29.1 J5#30.1 J5#31.1 J5#32.1 J5#33.1 J5#34.1 J5#35.1 J5#36.1 J5#37.1 J5#38.1 J5#39.1 J5#40.1 J6.1 J6#2.1 J6#3.1 J6#4.1 J6#5.1 J6#6.1 J6#7.1 J6#8.1 J6#9.1 J6#10.1 J6#11.1 J6#12.1 J6#13.1 J6#14.1 J6#15.1 J6#16.1 J6#17.1 J6#18.1 J6#19.1 J6#20.1 J6#21.1 J6#22.1 J6#23.1 J6#24.1 J6#25.1 J6#26.1 J6#27.1 J6#28.1 J6#29.1 J6#30.1 J6#31.1 J6#32.1 J6#33.1 J6#34.1 J6#35.1 J6#36.1 J6#37.1 J6#38.1 J6#39.1 J6#40.1 LED1.3 LED1#2.3 LED1#3.3 LED1#4.3 LED1#5.3 LED1#6.3 LED1#7.3 LED1#8.3 LED1#9.3 LED1#10.3 LED1#11.3 LED1#12.3 LED1#13.3 LED1#14.3 LED1#15.3 LED1#16.3 LED1#17.3 LED1#18.3 LED1#19.3 LED1#20.3 LED1#21.3 LED1#22.3 LED1#23.3 LED1#24.3 LED1#25.3 LED1#26.3 LED1#27.3 LED1#28.3 LED1#29.3 LED1#30.3 LED1#31.3 LED1#32.3 LED1#33.3 LED1#34.3 LED1#35.3 LED1#36.3 LED1#37.3 LED1#38.3 LED1#39.3 LED1#40.3
